# KiCad board polygonus.kicad_pcb
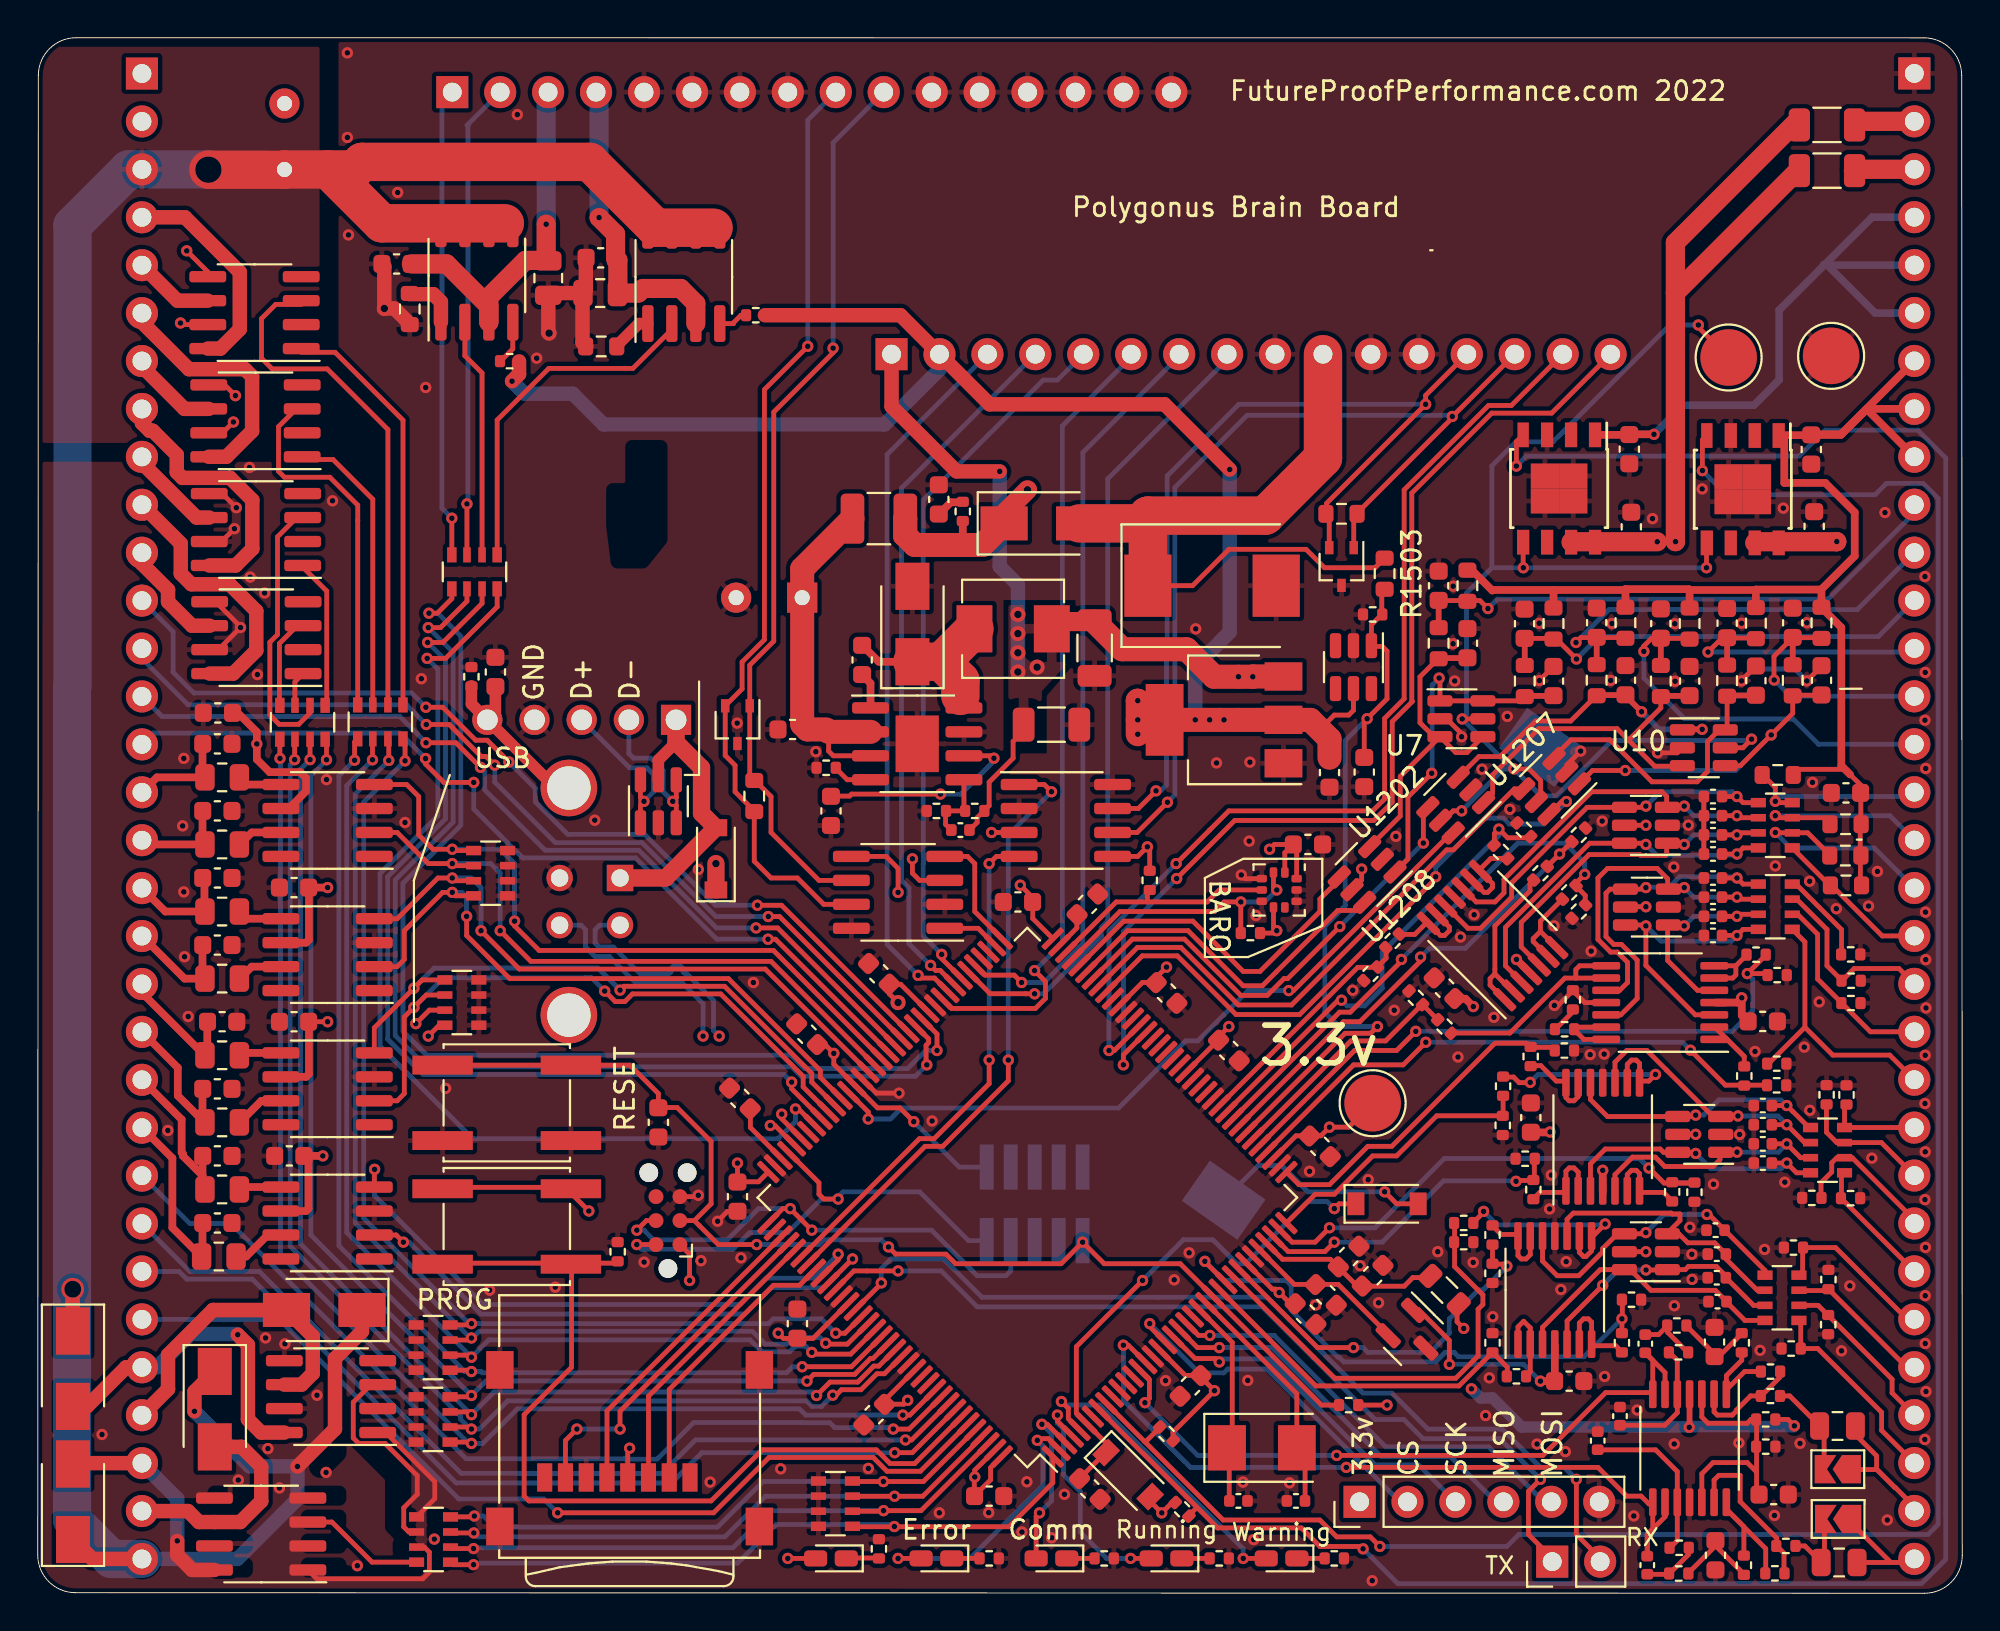
[diagram p0: board, top side]
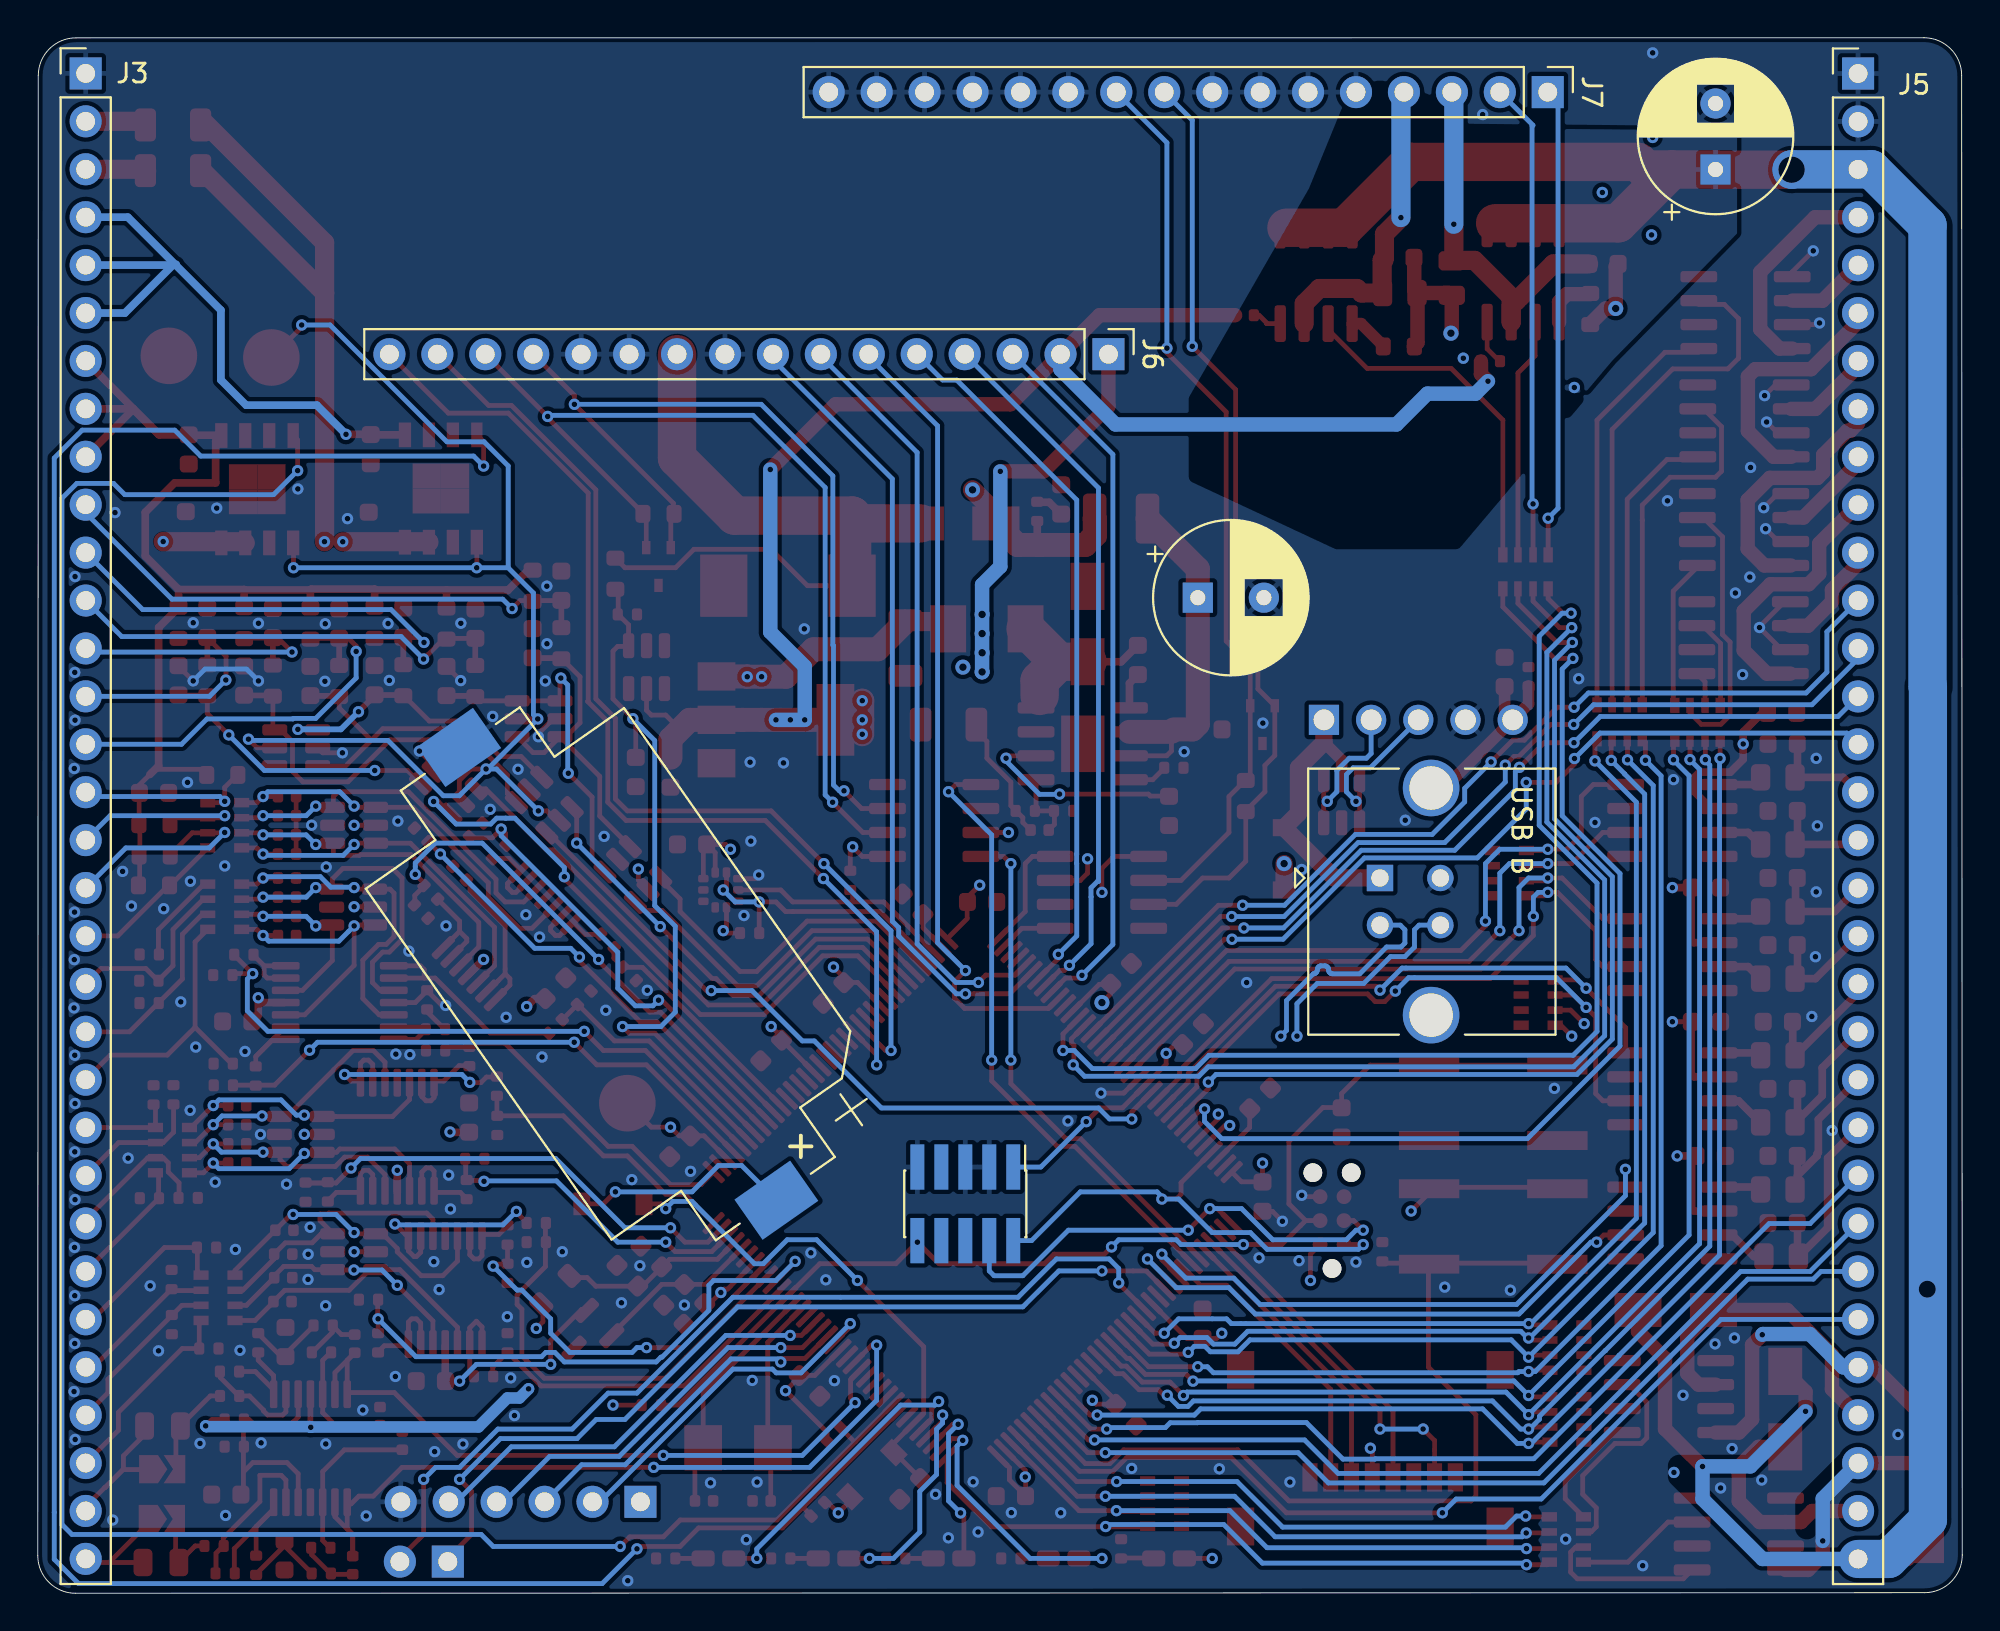
[diagram p1: board, bottom side, seen from below]

Outline 101.97 x 82.46 mm; copper layers: Top, In1.Cu (plane), In2.Cu (plane), Bottom. Coordinates in mm from the lower left corner of the outline.
Outline path: 0.03,80.46 0,2.03 arc(0.59,0.62) 2,0.03 99.97,0 arc(101.39,0.59) 101.97,2 101.94,80.45 arc(101.36,81.86) 99.94,82.45 2.03,82.46 arc(0.62,81.87) 0.03,80.46

## Placement (name value [footprint] x y rotation side)
BT1  Battery_Cell  [BatteryHolder_Keystone_1060_1x2032]  71.24 32.84 55 bottom
C1  100n  [C_0402_1005Metric]  89 15.46 180 top
C2  100n  [C_0402_1005Metric]  88.97 16.73 180 top
C3  100n  [C_0402_1005Metric]  88.97 17.98 180 top
C4  100n  [C_0402_1005Metric]  88.9 19.24 180 top
C5  100n  [C_0402_1005Metric]  91.4 22.81 180 top
C6  100n  [C_0402_1005Metric]  91.4 23.82 180 top
C7  100n  [C_0402_1005Metric]  91.4 24.84 180 top
C8  100n  [C_0402_1005Metric]  91.4 25.85 180 top
C9  100n  [C_0402_1005Metric]  88.77 34.87 180 top
C10  100n  [C_0402_1005Metric]  88.77 35.88 180 top
C11  100n  [C_0402_1005Metric]  88.77 36.9 180 top
C12  100n  [C_0402_1005Metric]  88.77 37.92 180 top
C13  100n  [C_0402_1005Metric]  88.77 39.19 180 top
C14  100n  [C_0402_1005Metric]  88.77 40.2 180 top
C15  100n  [C_0402_1005Metric]  88.77 41.22 180 top
C16  100n  [C_0402_1005Metric]  88.77 42.23 180 top
C17  56u  [CP_Radial_D8.0mm_P3.50mm]  13.07 75.47 90 bottom
C20  100n  [C_0603_1608Metric]  67.3 39.69 0 top
C21  680p  [C_0603_1608Metric]  88.85 13.32 270 top
C22  680p  [C_0603_1608Metric]  88.89 2.01 90 top
C23  330p  [C_0402_1005Metric]  85.18 13.23 270 top
C24  330p  [C_0402_1005Metric]  85.28 1.49 90 top
C25  47p  [C_0402_1005Metric]  83.84 9.39 270 top
C26  47p  [C_0402_1005Metric]  82.66 8.09 270 top
C30  4.7u  [C_0603_1608Metric]  55.75 5.53 315 top
C701  100n  [C_0603_1608Metric]  81.15 11.25 0 top
C801  100n  [C_0603_1608Metric]  79.11 25.22 90 top
C901  100n  [C_0603_1608Metric]  91.4 30.31 0 top
C902  10n  [C_0603_1608Metric]  42.03 41.47 270 top
C903  4.7u  [C_0603_1608Metric]  68.45 43.5 270 top
C904  100n  [C_0603_1608Metric]  43.68 49.47 90 top
C905  330p  [C_0402_1005Metric]  48.89 40.46 180 top
C906  10u  [C_1206_3216Metric]  56 50.11 270 top
C1001  56u  [CP_Radial_D8.0mm_P3.50mm]  40.51 52.77 180 bottom
C1002  1u  [C_0603_1608Metric]  40 45.79 180 top
C1004  10u  [C_1206_3216Metric]  53.71 46.04 0 top
C1006  4.7u  [C_0603_1608Metric]  47.74 57.98 90 top
C1015  1u  [C_0603_1608Metric]  84.44 56.53 90 top
C1016  1u  [C_0603_1608Metric]  93.97 60.63 270 top
C1017  1u  [C_0603_1608Metric]  94.13 56.56 90 top
C1018  1u  [C_0603_1608Metric]  84.33 60.65 270 top
C1101  100n  [C_0603_1608Metric]  74.54 32.07 135 top
C1204  1n  [C_0603_1608Metric]  82.6 51.45 90 top
C1205  1n  [C_0603_1608Metric]  84.13 48.4 90 top
C1207  1n  [C_0603_1608Metric]  74.23 53.41 90 top
C1208  1n  [C_0603_1608Metric]  75.75 50.36 90 top
C1301  10n  [C_0603_1608Metric]  29.83 70.79 180 top
C1302  10n  [C_0603_1608Metric]  19.01 70.47 180 top
C1401  1n  [C_0603_1608Metric]  86 51.4 90 top
C1402  1n  [C_0603_1608Metric]  87.53 48.35 90 top
C1403  1n  [C_0603_1608Metric]  92.99 51.44 90 top
C1404  1n  [C_0603_1608Metric]  94.51 48.39 90 top
C1405  1n  [C_0603_1608Metric]  89.51 51.42 90 top
C1406  1n  [C_0603_1608Metric]  91.04 48.38 90 top
C1407  1n  [C_0603_1608Metric]  78.78 51.39 90 top
C1408  1n  [C_0603_1608Metric]  80.31 48.36 90 top
C1409  100n  [C_0603_1608Metric]  95.81 42.43 0 top
C1501  100n  [C_0603_1608Metric]  69.46 17.85 45 top
C1502  4.7u  [C_0603_1608Metric]  70.73 16.83 45 top
C1503  100n  [C_0603_1608Metric]  51.94 36.65 0 top
C1504  100n  [C_0603_1608Metric]  59.81 31.82 135 top
C1505  100n  [C_0603_1608Metric]  67.18 14.8 135 top
C1506  4.7u  [C_0603_1608Metric]  67.94 23.69 135 top
C1507  4.7u  [C_0603_1608Metric]  44.57 32.84 315 top
C1508  100n  [C_0603_1608Metric]  40.76 29.63 315 top
C1509  100n  [C_0603_1608Metric]  63.11 28.77 135 top
C1510  100n  [C_0603_1608Metric]  40.25 14.29 270 top
C1511  100n  [C_0603_1608Metric]  50.41 5.15 180 top
C1512  4.7u  [C_0603_1608Metric]  44.32 9.47 45 top
C1513  100n  [C_0603_1608Metric]  37.08 21.02 90 top
C1515  4.7u  [C_0603_1608Metric]  61.08 10.99 45 top
C1516  100n  [C_0603_1608Metric]  24.25 48.84 90 top
C1517  100n  [C_0603_1608Metric]  32.89 24.96 90 top
C1518  2.2u  [C_0603_1608Metric]  55.62 36.52 45 top
C1519  2.2u  [C_0603_1608Metric]  37.2 26.23 135 top
C1520  100n  [C_0603_1608Metric]  68.25 15.82 315 top
C1521  33p  [C_0402_1005Metric]  63.62 4.9 0 top
C1522  33p  [C_0402_1005Metric]  66.67 4.9 180 top
C1523  1u  [C_0603_1608Metric]  70.29 43.53 270 top
C1604  100n  [C_0603_1608Metric]  13.33 23.18 0 top
C1605  10n  [C_0603_1608Metric]  9.52 19.63 0 top
C1606  10n  [C_0603_1608Metric]  9.52 23.18 0 top
C1607  100n  [C_0603_1608Metric]  13.58 30.3 0 top
C1608  10n  [C_0603_1608Metric]  9.52 26.74 0 top
C1609  10n  [C_0603_1608Metric]  9.77 30.3 0 top
C1701  100n  [C_0603_1608Metric]  13.58 37.41 0 top
C1702  10n  [C_0603_1608Metric]  9.52 34.36 0 top
C1703  10n  [C_0603_1608Metric]  9.52 37.92 0 top
C1704  100n  [C_0603_1608Metric]  9.54 46.67 0 top
C1705  10n  [C_0603_1608Metric]  9.52 41.47 0 top
C1706  10n  [C_0603_1608Metric]  9.52 45.03 0 top
C1901  3.3n  [C_0805_2012Metric]  95.36 8.87 0 top
C1902  3.3n  [C_0805_2012Metric]  95.45 1.63 0 top
C1903  10n  [C_0603_1608Metric]  91.98 5.23 180 top
D1  PESD1CAN-UX  [SOT-323_SC-70]  69.08 54.43 270 top
D2  PESD1CAN-UX  [SOT-323_SC-70]  37.08 46.04 270 top
D3  schottky  [D_SOD-123]  71.49 20.64 0 top
D4  schottky  [D_SOD-123]  57.78 6.29 315 top
D101  D_Schottky  [D_SMA]  15.18 15.02 180 top
D102  D_Schottky  [D_SMA]  9.38 9.76 270 top
D103  D_Schottky  [D_SMA]  1.87 11.91 270 top
D104  D_Schottky  [D_SMA]  1.87 4.85 90 top
D901  D_Schottky  [D_SMA]  46.35 51.38 90 top
D903  D_Schottky  [D_SMA]  53.21 56.71 0 top
D1001  SM15T33CA  [D_SMC]  62.22 53.41 0 top
D1501  SRV05-4  [SOT-23-6]  69.72 49.09 270 top
D1502  GREEN  [LED_0603_1608Metric_Castellated]  42.03 1.85 180 top
D1503  schottky  [D_SOD-123]  35.93 38.93 90 top
D1504  RED  [LED_0603_1608Metric_Castellated]  47.62 1.85 180 top
D1505  BLUE  [LED_0603_1608Metric_Castellated]  53.71 1.85 180 top
D1506  GREEN  [LED_0603_1608Metric_Castellated]  59.81 1.85 180 top
D1507  ORANGE  [LED_0603_1608Metric_Castellated]  65.91 1.85 180 top
F101  Polyfuse  [R_1206_3216Metric]  94.81 77.83 180 top
F102  Polyfuse  [R_1206_3216Metric]  94.81 75.41 0 top
FB1501  Ferrite_Bead  [L_0805_2012Metric]  74.54 16.07 135 top
J1  Micro_SD_Card  [microSD_HC_Wuerth_693072010801]  31.36 7.69 180 top
J2  Conn_01x02  [PinHeader_1x02_P2.54mm_Vertical]  80.25 1.68 90 top
J3  Conn_01x32  [PinHeader_1x32_P2.54mm_Vertical]  99.43 80.56 180 bottom
J4  Conn_01x06  [Tag-Connect_TC2030-IDC-NL_2x03_P1.27mm_Vertical]  33.39 19.75 90 top
J5  Conn_01x32  [PinHeader_1x32_P2.54mm_Vertical]  5.52 80.56 180 bottom
J6  Conn_01x16  [PinHeader_1x16_P2.54mm_Vertical]  45.24 65.68 270 bottom
J7  Conn_01x16  [PinHeader_1x16_P2.54mm_Vertical]  21.96 79.57 270 bottom
J105  Conn_01x01  [TestPoint_Pad_D3.0mm]  95.03 65.59 0 top
J107  Conn_01x01  [TestPoint_Pad_D3.0mm]  89.59 65.51 0 top
J108  Conn_01x01  [TestPoint_Pad_D3.0mm]  70.73 25.98 0 top
J1501  USB_B  [USB_B_TE_5787834_Vertical]  30.85 37.92 90 bottom
J1502  Conn_02x05_Odd_Even  [PinHeader_2x05_P1.27mm_Vertical_SMD]  52.82 20.64 270 bottom
J1504  USB_B  [conn_5_2.5mm]  28.82 46.3 180 top
J1505  Conn_01x06  [PinHeader_1x06_P2.54mm_Vertical]  70.04 4.85 90 top
JP1  Jumper_NO_Small  [SolderJumper-2_P1.3mm_Open_TrianglePad1.0x1.5mm]  95.38 6.58 180 top
JP2  Jumper_NO_Small  [SolderJumper-2_P1.3mm_Open_TrianglePad1.0x1.5mm]  95.4 3.94 180 top
L1001  10u  [MWSA0503]  51.68 51.12 180 top
L1002  2.2u  [L_1210_3225Metric]  44.57 56.97 180 top
R1  5.6k  [R_0402_1005Metric]  78.35 11.5 0 top
R2  5.6k  [R_0402_1005Metric]  83.94 13.28 270 top
R3  5.6k  [R_0402_1005Metric]  75.56 19.63 0 top
R4  5.6k  [R_0402_1005Metric]  77.08 18.99 90 top
R5  10k  [R_0402_1005Metric]  77.08 13.28 270 top
R6  10k  [R_0402_1005Metric]  84.45 15.56 180 top
R7  10k  [R_0402_1005Metric]  75.56 18.61 180 top
R8  10k  [R_0402_1005Metric]  77.08 16.96 90 top
R9  5.6k  [R_0402_1005Metric]  79.25 21.4 270 top
R10  5.6k  [R_0402_1005Metric]  86.6 21.28 270 top
R11  5.6k  [R_0402_1005Metric]  77.64 26.88 90 top
R12  5.6k  [R_0402_1005Metric]  79.1 28.45 270 top
R13  10k  [R_0402_1005Metric]  78.81 23.03 0 top
R14  10k  [R_0402_1005Metric]  87.78 21.26 90 top
R15  10k  [R_0402_1005Metric]  77.63 24.8 90 top
R16  10k  [R_0402_1005Metric]  80.89 28.77 180 top
R17  5.6k  [R_0402_1005Metric]  90.42 27.42 90 top
R18  5.6k  [R_0402_1005Metric]  91.05 33.85 180 top
R19  5.6k  [R_0402_1005Metric]  74.54 30.04 315 top
R20  5.6k  [R_0402_1005Metric]  80.9 29.9 0 top
R21  10k  [R_0402_1005Metric]  92.14 26.93 180 top
R22  10k  [R_0402_1005Metric]  92.17 32.77 180 top
R23  10k  [R_0402_1005Metric]  73.02 31.57 315 top
R24  10k  [R_0402_1005Metric]  81.34 31.46 270 top
R25  5.6k  [R_0402_1005Metric]  79.62 38.17 225 top
R26  5.6k  [R_0402_1005Metric]  81.15 37.15 225 top
R27  5.6k  [R_0402_1005Metric]  77.52 39.29 315 top
R28  5.6k  [R_0402_1005Metric]  71.79 34.58 45 top
R29  10k  [R_0402_1005Metric]  81.65 40.2 225 top
R30  10k  [R_0402_1005Metric]  81.65 36.14 45 top
R31  10k  [R_0402_1005Metric]  78.74 40.47 315 top
R32  10k  [R_0402_1005Metric]  70.62 32.84 45 top
R33  120  [R_0603_1608Metric]  37.97 42.26 90 top
R34  4.7k  [R_0805_2012Metric]  29.8 68.92 180 top
R35  4.7k  [R_0805_2012Metric]  27.05 69.71 270 top
R38  33k  [R_0402_1005Metric]  91.56 7.77 0 top
R39  1k  [R_0402_1005Metric]  58.92 37.79 270 top
R40  33k  [R_0402_1005Metric]  91.56 9.21 0 top
R41  1k  [R_0402_1005Metric]  64.25 34.99 180 top
R42  12k  [R_0402_1005Metric]  90.29 13.28 270 top
R43  12k  [R_0402_1005Metric]  90.4 1.49 90 top
R44  100k  [R_0402_1005Metric]  86.85 14.19 0 top
R45  100k  [R_0402_1005Metric]  86.95 1.05 0 top
R46  33k  [R_0402_1005Metric]  86.94 12.77 0 top
R47  33k  [R_0402_1005Metric]  86.97 2.41 0 top
R701  470k  [R_0402_1005Metric]  92.91 12.97 180 top
R702  470k  [R_0402_1005Metric]  94.87 14.24 270 top
R703  470k  [R_0402_1005Metric]  94.88 16.63 90 top
R704  470k  [R_0402_1005Metric]  93.03 18.32 180 top
R801  470k  [R_0402_1005Metric]  96.06 20.94 0 top
R802  470k  [R_0402_1005Metric]  94 20.96 180 top
R803  470k  [R_0402_1005Metric]  94.78 26.42 90 top
R804  470k  [R_0402_1005Metric]  95.84 26.42 90 top
R901  470k  [R_0402_1005Metric]  92.15 28.07 0 top
R902  470k  [R_0402_1005Metric]  96.07 31.28 0 top
R903  470k  [R_0402_1005Metric]  96.09 32.47 0 top
R904  470k  [R_0402_1005Metric]  96.06 33.86 0 top
R905  10k  [R_0402_1005Metric]  41.78 43.76 180 top
R906  1  [R_0402_1005Metric]  49.01 57.35 90 top
R907  12k  [R_0402_1005Metric]  47.62 41.47 180 top
R908  68k  [R_0402_1005Metric]  49.65 41.47 0 top
R1004  120  [R_0603_1608Metric]  69.08 57.22 0 top
R1006  10k  [R_0402_1005Metric]  59.81 8.45 315 top
R1007  10k  [R_0402_1005Metric]  60.63 4.45 135 top
R1101  2.7k  [R_0603_1608Metric]  95.81 37.52 180 top
R1102  2.7k  [R_0603_1608Metric]  95.78 39.1 180 top
R1103  2.7k  [R_0603_1608Metric]  95.79 40.77 180 top
R1104  2.7k  [R_0603_1608Metric]  92.19 43.38 180 top
R1105  10k  [R_0402_1005Metric]  38.04 67.75 0 top
R1106  120  [R_0603_1608Metric]  29.85 66.09 180 top
R1107  10k  [R_0402_1005Metric]  25 65.31 0 top
R1108  120  [R_0603_1608Metric]  19.71 68.07 270 top
R1201  2.7k  [R_0603_1608Metric]  84.13 51.45 270 top
R1202  2.7k  [R_0603_1608Metric]  82.6 48.4 90 top
R1203  2.7k  [R_0603_1608Metric]  75.75 53.41 270 top
R1204  2.7k  [R_0603_1608Metric]  74.23 50.36 90 top
R1401  2.7k  [R_0603_1608Metric]  87.53 51.4 270 top
R1402  2.7k  [R_0603_1608Metric]  86 48.35 90 top
R1403  2.7k  [R_0603_1608Metric]  94.51 51.44 270 top
R1404  2.7k  [R_0603_1608Metric]  92.99 48.39 90 top
R1405  2.7k  [R_0603_1608Metric]  91.04 51.42 270 top
R1406  2.7k  [R_0603_1608Metric]  89.51 48.38 90 top
R1407  2.7k  [R_0603_1608Metric]  80.31 51.4 270 top
R1408  2.7k  [R_0603_1608Metric]  78.79 48.36 90 top
R1501  100k  [R_0402_1005Metric]  22.98 48.58 90 top
R1502  10k  [R_0402_1005Metric]  69.46 9.98 0 top
R1503  82k  [R_0603_1608Metric]  71.37 54.04 270 top
R1504  10k  [R_0402_1005Metric]  70.73 51.89 180 top
R1508  330  [R_0402_1005Metric]  44.57 2.36 270 top
R1509  330  [R_0402_1005Metric]  50.41 1.85 180 top
R1510  330  [R_0402_1005Metric]  56.51 1.85 180 top
R1511  330  [R_0402_1005Metric]  62.6 1.85 180 top
R1512  330  [R_0402_1005Metric]  68.7 1.85 180 top
R1513  10k  [R_0402_1005Metric]  30.73 18.1 90 top
R1601  100  [R_0805_2012Metric]  9.6 17.85 0 top
R1602  100  [R_0805_2012Metric]  9.77 21.41 0 top
R1603  100  [R_0805_2012Metric]  9.77 24.96 0 top
R1604  100  [R_0805_2012Metric]  9.77 28.52 0 top
R1701  100  [R_0805_2012Metric]  9.77 32.58 0 top
R1702  100  [R_0805_2012Metric]  9.77 36.14 0 top
R1703  100  [R_0805_2012Metric]  9.77 39.69 0 top
R1704  100  [R_0805_2012Metric]  9.77 43.25 0 top
R1901  100k  [R_0402_1005Metric]  91.81 10.46 0 top
R1902  100k  [R_0402_1005Metric]  92.63 2.51 0 top
R1903  470k  [R_0402_1005Metric]  91.81 11.75 0 top
R1904  470k  [R_0402_1005Metric]  92.04 1.06 0 top
RN201  1k  [R_Array_Convex_4x0603]  18.15 46.19 90 top
RN202  1k  [R_Array_Convex_4x0603]  20.95 13.02 0 top
RN301  1k  [R_Array_Convex_4x0603]  14.03 46.17 90 top
RN302  1k  [R_Array_Convex_4x0603]  20.95 9.21 0 top
RN501  1k  [R_Array_Convex_4x0603]  20.97 2.85 180 top
RN502  1k  [R_Array_Convex_4x0603]  42.27 4.75 0 top
RN701  10k  [R_Array_Convex_4x0603]  92.42 15.66 180 top
RN801  10k  [R_Array_Convex_4x0603]  94.83 23.49 180 top
RN901  10k  [R_Array_Convex_4x0603]  92.07 36.39 180 top
RN1101  10k  [R_Array_Convex_4x0603]  92.07 40.71 180 top
RN1301  10k  [R_Array_Convex_4x0603]  23.14 54.14 90 top
RN1601  1k  [R_Array_Convex_4x0603]  22.47 31.31 180 top
RN1701  1k  [R_Array_Convex_4x0603]  24 38.17 180 top
SW1501  SW_Push  [SW_SPST_EVQQ2]  24.85 26 0 top
SW1502  SW_Push  [SW_SPST_EVQQ2]  24.85 19.44 180 top
U1  SRV05-4  [SOT-23-6]  85.21 18.1 180 top
U2  SRV05-4  [SOT-23-6]  88.03 24.32 180 top
U3  SRV05-4  [SOT-23-6]  85.26 36.37 180 top
U4  SRV05-4  [SOT-23-6]  85.21 40.71 180 top
U5  MCP6004  [TSSOP-14_4.4x5mm_P0.65mm]  87.52 7.69 270 top
U6  TJA1051T-3  [SOIC-8_3.9x4.9mm_P1.27mm]  45.59 37.15 180 top
U7  SRV05-4  [SOT-23-6]  75.44 46.35 0 top
U8  REF3333  [SOT-23]  72.89 13.66 315 top
U9  LPS25HB  [ST_HLGA-10_2.5x2.5mm_P0.6mm_LayoutBorder3x2y]  65.78 37.28 270 top
U10  SRV05-4  [SOT-23-6]  88.28 44.82 0 top
U201  VNLD5160  [SOIC-8_3.9x4.9mm_P1.27mm]  11.48 67.88 180 top
U202  VNLD5160  [SOIC-8_3.9x4.9mm_P1.27mm]  11.54 62.15 180 top
U301  VNLD5160  [SOIC-8_3.9x4.9mm_P1.27mm]  11.56 56.39 180 top
U302  VNLD5160  [SOIC-8_3.9x4.9mm_P1.27mm]  11.58 50.65 180 top
U501  VNLD5160  [SOIC-8_3.9x4.9mm_P1.27mm]  15.54 10.42 180 top
U502  VNLD5160  [SOIC-8_3.9x4.9mm_P1.27mm]  11.84 3.14 180 top
U701  MCP6004  [TSSOP-14_4.4x5mm_P0.65mm]  80.38 16.07 90 top
U801  MCP6004  [TSSOP-14_4.4x5mm_P0.65mm]  82.92 24.2 90 top
U901  MCP6004  [TSSOP-14_4.4x5mm_P0.65mm]  85.97 31.31 180 top
U902  AMS1117-3.3  [SOT-223-3_TabPin2]  62.86 46.3 180 top
U903  LMR14020  [SOIC-8-1EP_3.9x4.9mm_P1.27mm_EP2.29x3mm]  46.6 45.03 0 top
U904  TJA1051T-3  [SOIC-8_3.9x4.9mm_P1.27mm]  54.48 40.96 0 top
U1004  TLS115  [Infineon_PG-DSO-8-43]  90.34 58.52 270 top
U1005  TLS115  [Infineon_PG-DSO-8-43]  80.61 58.56 270 top
U1101  MCP6004  [TSSOP-14_4.4x5mm_P0.65mm]  77.08 34.87 135 top
U1102  BTS4175SGA  [SOIC-8_3.9x4.9mm_P1.27mm]  34.23 69.78 90 top
U1103  BTS4175SGA  [SOIC-8_3.9x4.9mm_P1.27mm]  23.27 69.85 90 top
U1202  SN74LVC2G17DB  [SOT-23-6]  75.13 41.78 225 top
U1207  SN74LVC2G17DB  [SOT-23-6]  80.21 42.77 225 top
U1208  SN74LVC2G17DB  [SOT-23-6]  70.44 38.1 225 top
U1501  STM32F427ZGTx  [LQFP-144_20x20mm_P0.5mm]  52.43 20.98 135 top
U1502  USBLC6-2SC6  [SOT-23-6]  32.89 41.98 90 top
U1602  MIC4427  [SOIC-8_3.9x4.9mm_P1.27mm]  15.36 19.63 180 top
U1603  MIC4427  [SOIC-8_3.9x4.9mm_P1.27mm]  15.36 26.74 180 top
U1701  MIC4427  [SOIC-8_3.9x4.9mm_P1.27mm]  15.36 33.85 180 top
U1702  MIC4427  [SOIC-8_3.9x4.9mm_P1.27mm]  15.36 40.96 180 top
Y1501  8MHz  [Crystal_SMD_5032-2Pin_5.0x3.2mm]  64.87 7.71 0 top
